# Altium PCB radxa_cm3i_io_board_v1.4.PcbDoc (part 2 of 9) (continued)
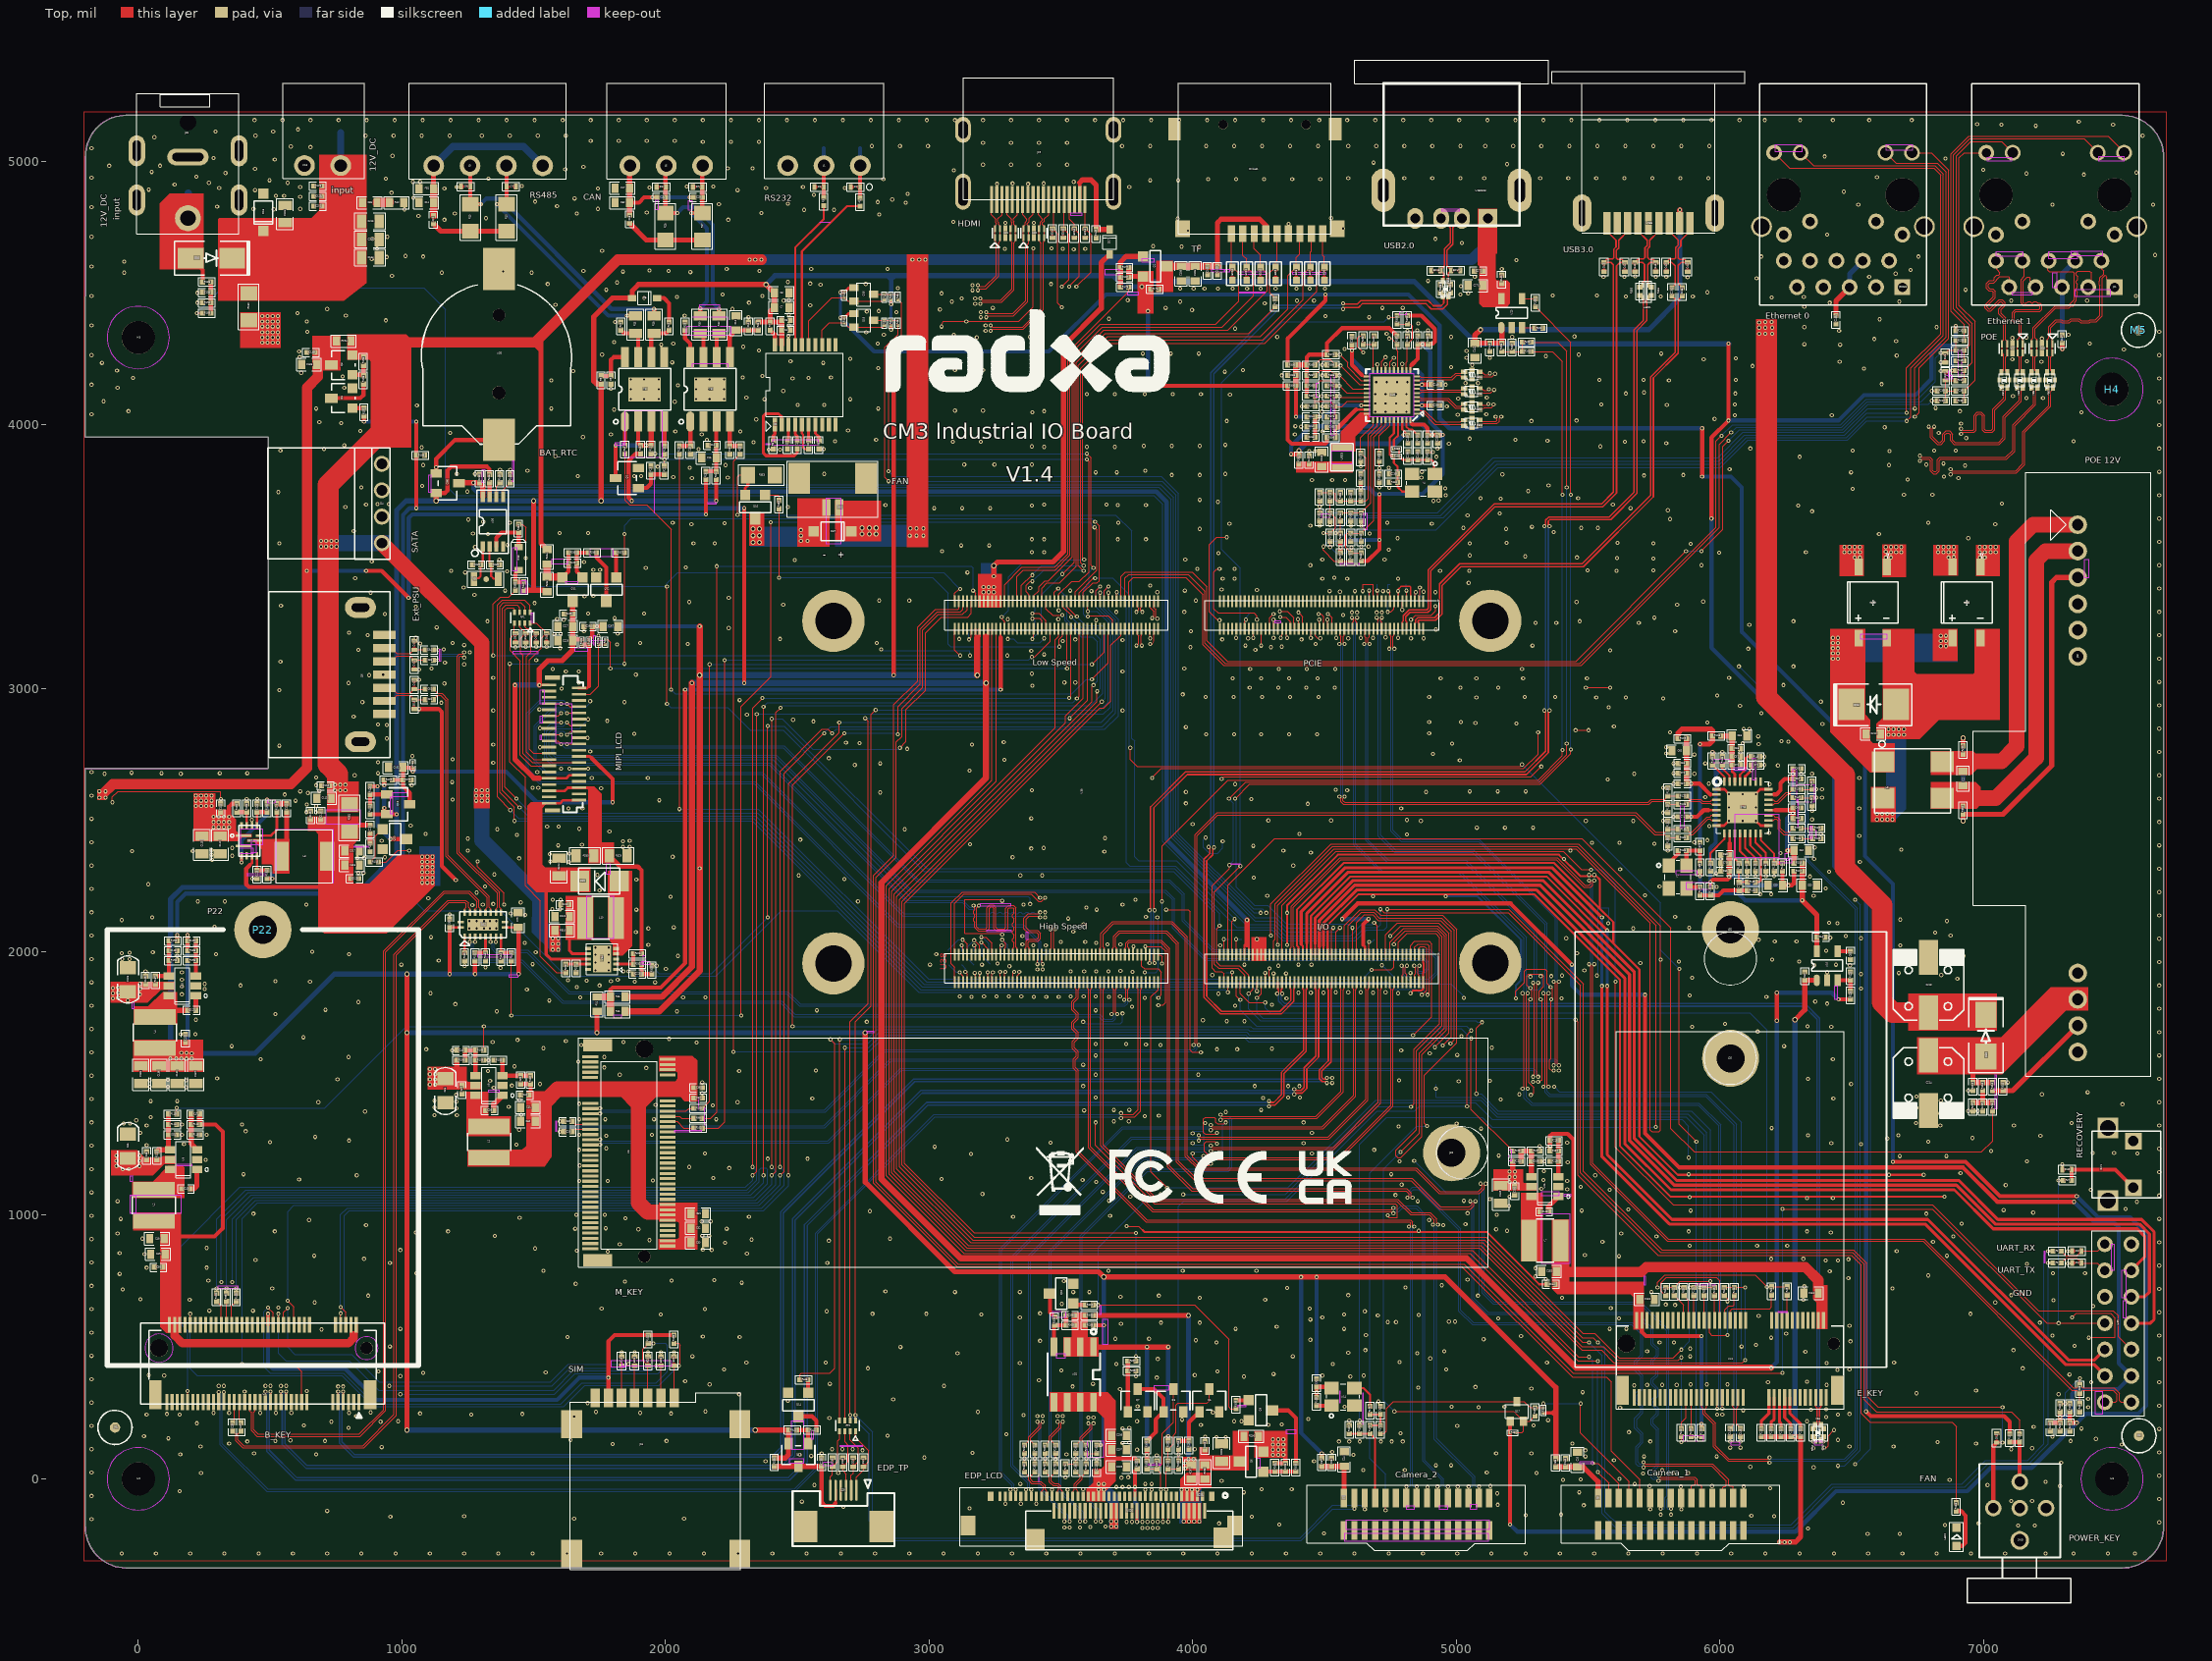
[diagram p0: Top view]
## Footprints (in the part's own frame and the unit in brackets; to place one, negate y for a bottom-side part, rotate by r counter-clockwise, add the part's x,y. Pads: shape width x height; smd on the part's side, far side on the other; paste and mask are expansions set on the pad) (continued)
MICRO_SIM [mm]
  rect 2.7x2 smd: 1(2.505,-2.26) 2(15.025,-2.26) 3(15.025,13.95) 4(2.505,13.95)
  rect 1.8x0.9 smd: C1(0,1.27) C2(0,3.81) C3(0,6.35) C5(0,0) C6(0,2.54) C7(0,5.08) C9(0,7.62)
  silkscreen extent -0.52,-2.39 16.51,14.03
MSOP8 [mm]
  rect 1x0.4 smd: 1(-2.4,0.947) 2(-2.4,0.297) 3(-2.4,-0.353) 4(-2.4,-1.003) 5(2.4,-1.003) 6(2.4,-0.353) 7(2.4,0.297) 8(2.4,0.947)
  silkscreen extent -3.36,-1.52 3.05,2.03
QFN12_2R00X3R00X1R00 [mm]
  rect 1.5x0.25 smd: 1(-0.55,0.5) 2(-0.55,-0.5) 7(0.55,0)
  rect 0.25x0.7 smd: 3(-0.75,-1.45) 4(-0.25,-1.45) 5(0.25,-1.45) 6(0.75,-1.45) 9(0.75,1.45) 10(0.25,1.45) 11(-0.25,1.45) 12(-0.75,1.45)
  rect 0.7x0.25 smd: 8(0.95,0.5)
  silkscreen extent -1.81,-1.5 1,1.5
QFN20-2D5X4D5 [mm]
  rect 0.25x0.6 smd: 1(-1.74,-1.14) 2(-1.24,-1.14) 3(-0.74,-1.14) 4(-0.24,-1.14) 5(0.26,-1.14) 6(0.76,-1.14) 7(1.26,-1.14) 8(1.76,-1.14) 11(1.76,1.16) 12(1.26,1.16) 13(0.76,1.16) 14(0.26,1.16) 15(-0.24,1.16) 16(-0.74,1.16) 17(-1.24,1.16) 18(-1.74,1.16)
  rect 0.6x0.25 smd: 9(2.13,-0.25) 10(2.13,0.25) 19(-2.13,0.25) 20(-2.13,-0.25)
  rect 3x1.1 smd: 21(0,0)
  silkscreen extent -2.23,-2.01 2.27,1.26
QFN40_5R00X5R00X0R90_T [mm]
  rect 0.6x0.2 smd mask+0.05: 1(-2.4,1.8) 2(-2.4,1.4) 3(-2.4,1) 4(-2.4,0.6) 5(-2.4,0.2) 6(-2.4,-0.2) 7(-2.4,-0.6) 8(-2.4,-1) 9(-2.4,-1.4) 10(-2.4,-1.8) 21(2.4,-1.8) 22(2.4,-1.4) 23(2.4,-1) 24(2.4,-0.6) 25(2.4,-0.2) 26(2.4,0.2) 27(2.4,0.6) 28(2.4,1) 29(2.4,1.4) 30(2.4,1.8)
  rect 0.2x0.6 smd mask+0.05: 11(-1.8,-2.4) 12(-1.4,-2.4) 13(-1,-2.4) 14(-0.6,-2.4) 15(-0.2,-2.4) 16(0.2,-2.4) 17(0.6,-2.4) 18(1,-2.4) 19(1.4,-2.4) 20(1.8,-2.4) 31(1.8,2.4) 32(1.4,2.4) 33(1,2.4) 34(0.6,2.4) 35(0.2,2.4) 36(-0.2,2.4) 37(-0.6,2.4) 38(-1,2.4) 39(-1.4,2.4) 40(-1.8,2.4)
  rect 3.6x3.6 smd mask+0.075: 41(0,0)
  silkscreen extent -3.02,-2.5 2.5,2.5
R0201 [mm]
  rect 0.3x0.3 smd: 1(-0.25,0) 2(0.25,0)
  silkscreen extent -0.5,-0.25 0.5,0.25
R0402 [mm]
  rect 0.5x0.5 smd: 1(-0.4,0) 2(0.4,0)
  silkscreen extent -0.8,-0.4 0.8,0.4
R0603 [mm]
  rect 0.7x0.9 smd: 1(-0.7,0) 2(0.7,0)
  silkscreen extent -1.2,-0.6 1.2,0.6
R0805 [mm]
  rect 0.9x1.3 smd: 1(-0.85,0) 2(0.85,0)
  silkscreen extent -1.5,-0.8 1.5,0.8
R1206 [mm]
  rect 1.4x1.6 smd mask+0.05: 1(-1.3,0) 2(1.3,0)
  silkscreen extent -2.2,-1 2.2,1
RCMF7060 [mm]
  rect 2.2x2 smd: 1(0,0) 2(5.7,0) 3(5.7,-3.5) 4(0,-3.5)
  silkscreen extent -0.82,-4.92 6.5,2.02
RJ45_HRK1 [mm]
  rect 1.524x1.524 hole 0.9 mask+0.05: 1(0,0)
  round 1.524 / inner round 1.1 / far side round 1.524 hole 0.9 mask+0.05: 2(1.27,-2.54) 3(2.54,0) 4(3.81,-2.54) 5(5.08,0) 6(6.35,-2.54) 7(7.62,0) 8(8.89,-2.54) 9(10.16,0) 10(11.43,-2.54) 11(0,-5.06) 12(2.54,-6.33) 13(8.89,-6.33) 14(11.43,-5.06) 18(12.36,-12.95)
  round 1.524 hole 1.02 mask+0.05: 15(-0.92,-12.95) 16(1.62,-12.95) 17(9.82,-12.95)
  round 2 / inner round 2.2 / far side round 2.2 hole 1.6 mask+0.15: 19(-2.13,-5.84) 20(13.57,-5.84)
  round 3.25 hole 3.25: 21(0.005,-8.89) 22(11.435,-8.89)
  silkscreen extent -2.34,-19.63 13.77,1.72
RN8P4RC [mil]
  rect 11x21 smd: 1(30,-20.5) 2(10,-20.5) 3(-10,-20.5) 4(-30,-20.5) 5(-30,20.5) 6(-10,20.5) 7(10,20.5) 8(30,20.5)
  silkscreen extent -44,-54 44,20
RP2_0405 [mm]
  rect 0.5x0.3 smd: 1(-0.625,-0.275) 2(0.625,-0.275) 3(-0.625,0.275) 4(0.625,0.275)
  silkscreen extent -1,-0.6 1.03,0.6
S0T-23 [mil]
  rect 36x36 smd: 1(-37.5,-39) 2(37.5,-39)
  rect 36x50 smd: 3(0,41)
  silkscreen extent -55,-50 55,40
SMD_1D25X2PIN_90 [mm]
  rect 0.8x1.6 smd: 1(-1.25,0) 2(0,0)
  rect 2.1x3 smd: 3(-3.85,2.82) 4(2.6,2.82)
  silkscreen extent -5,-0.9 3.72,4.47
SMD_SATA_7P_50_180 [mm]
  rect 0.8x2.2 smd: 1(0,0) 2(1.27,0) 3(2.54,0) 4(3.81,0) 5(5.08,0) 6(6.35,0) 7(7.62,0)
  oval 2x3 hole 0.8 slot 1.7 at 90 deg: 8(10.28,2.3) 9(-2.66,2.3)
  silkscreen extent -4.19,-0.57 11.81,11.16
SOD323 [mm]
  rect 0.63x0.83 smd: 1(-1.115,0) 2(1.115,0)
  silkscreen extent -1.6,-0.7 1.84,0.7
SOD_123 [mm]
  rect 1x1 smd mask+0.05: 1(-1.8,0) 2(1.8,0)
  silkscreen extent -1.11,-0.9 1.13,0.9
SOD_323 [mm]
  rect 0.8x0.6 smd mask+0.05: 1(-1.2,0) 2(1.2,0)
  silkscreen extent -0.67,-0.65 0.64,0.65
SON10_2R50X1R00X0R50 [mm]
  rect 0.2x0.675 smd: 1(-1,-0.437) 2(-0.5,-0.437) 4(0.5,-0.437) 5(1,-0.437) 6(1,0.437) 7(0.5,0.437) 9(-0.5,0.437) 10(-1,0.437)
  rect 0.4x0.775 smd: 3(0,-0.388) 8(0,0.388)
  silkscreen extent -1.46,-1.39 1.25,0.5
SOP4_1D27_4 [mil]
  rect 32x63 smd mask+2: 1(-53.15,-134.85) 2(53.15,-134.85) 3(53.15,134.85) 4(-53.15,134.85)
  silkscreen extent -96,-187 96,79
SOP8-50-150 [mil]
  rect 25x70 smd: 1(-75,-105) 2(-25,-105) 3(25,-105) 4(75,-105) 5(75,105) 6(25,105) 7(-25,105) 8(-75,105)
  silkscreen extent -100,-173 100,80
SOP8_5R00X4R00X1R75_T [mm]
  oval 0.762x1.93 smd mask+0.05: 1(-1.91,-3.1)
  rect 0.762x1.93 smd mask+0.05: 2(-0.64,-3.1) 3(0.63,-3.1) 4(1.9,-3.1) 5(1.9,3.1) 6(0.63,3.1) 7(-0.64,3.1) 8(-1.91,3.1)
  rect 3.1x2.31 smd mask+0.05: 9(-0.005,0)
  silkscreen extent -3,-3.35 2.5,2
SOT23 [mil]
  rect 39x39 smd: 1(-38,-44.53) 2(38,-44.53)
  rect 39.37x47.24 smd: 3(0,44.53)
  silkscreen extent -59,-19 59,23
SOT_23 [mm]
  rect 0.8x1.1 smd: 1(-0.95,-1.1) 2(0.95,-1.1) 3(0,1.1)
  silkscreen extent -1.6,-0.9 1.6,0.9
SOT_23_5 [mm]
  oval 1.1x0.6 smd: 1(-1.4,1)
  rect 1.1x0.6 smd: 2(-1.4,0) 3(-1.4,-1) 4(1.4,-1) 5(1.4,1)
  silkscreen extent -0.52,-1.5 0.55,1.5
SOT_23_6 [mm]
  rect 0.7x1 smd mask+0.05: 1(-0.95,-1.3) 2(0,-1.3) 3(0.95,-1.3) 4(0.95,1.3) 5(0,1.3) 6(-0.95,1.3)
  silkscreen extent -1.75,-2.42 1.75,0.7
SOT_323 [mm]
  rect 0.7x0.9 smd: 1(-0.65,-0.95) 2(0.65,-0.95) 3(0,0.95)
  silkscreen extent -1.1,-0.67 1.1,0.67
SSOP20_1 [mm]
  rect 0.4x1.3 smd: 1(0,0) 2(0.65,0) 3(1.3,0) 4(1.95,0) 5(2.6,0) 6(3.25,0) 7(3.9,0) 8(4.55,0) 9(5.2,0) 10(5.85,0) 11(5.85,7.7) 12(5.2,7.7) 13(4.55,7.7) 14(3.9,7.7) 15(3.25,7.7) 16(2.6,7.7) 17(1.95,7.7) 18(1.3,7.7) 19(0.65,7.7) 20(0,7.7)
  silkscreen extent -0.88,-0.65 6.58,6.9
SW_4_DIP [mm]
  rrect0% 1.6x1.6 / inner rrect0% 1.6x1.6 / far side rrect0% 1.8x1.8 hole 1: 1(1.28,2.45) 2(5.78,2.45)
  rrect0% 2x2 hole 1.5: 3(0,0) 4(7,0)
  silkscreen extent 0.34,-1.53 6.78,5.06
T-1MM [mm]
  round 0.8 smd: 1(0,0)
TF-CKT01-009D [mm]
  rect 1.6x0.7 smd: 1(-10.516,3.2) 2(-10.516,2.1) 3(-10.516,1) 4(-10.516,-0.1) 5(-10.516,-1.2) 6(-10.516,-2.3) 7(-10.516,-3.4) 8(-10.516,-4.5) 9(-10.516,-5.6)
  rect 1.6x1.4 smd: 10(-10.016,-7) 13(-10.016,7.9)
  rect 2.2x1.2 smd: 11(-0.416,-6.8) 12(-0.416,8.7)
  round 0.9 hole 0.9 unplated: 14(0,4) 15(0,-4)
  silkscreen extent -10.52,-6.4 3.98,8.3
TP32 [mil]
  round 32 smd mask+2: 1(0,0)
  silkscreen extent -22,-22 22,22
TP_0R70 [mm]
  round 0.7 smd: 1(0,0)
  silkscreen extent -0.45,-0.45 0.45,0.45
USB20A4_USB_AF_01_001 [mm]
  rect 1.8x1.8 / inner round 1.2 / far side rect 1.8x1.8 hole 0.92 mask+0.05: 1(0,3.5)
  oval 2x1.5 / inner round 1.2 / far side oval 2x1.5 hole 0.92 mask+0.05: 2(0,1) 3(0,-1)
  oval 2x1.5 / inner rrect100% 1.2x1.2 / far side oval 2x1.5 hole 0.92 mask+0.05: 4(0,-3.5)
  oval 4.2x2.3 / inner oval 3x1.3 / far side oval 4.2x2.3 hole 1 slot 2.3 at 0 deg mask+0.05: 5(-2.71,6.57) 6(-2.71,-6.57)
  silkscreen extent -15.26,-9.34 0.69,9.33
USB30-L1 [mm]
  rect 0.7x2.2 smd: 1(-3,0) 2(-1,0) 3(1,0) 4(3,0) 5(4,0) 6(2,0) 7(0,0) 8(-2,0) 9(-4,0)
  oval 1.8x3.6 / inner oval 0.7x2.6 / far side oval 1.8x3.6 hole 0.584 slot 2.489 at 90 deg: 10(-6.4,-1) 11(6.4,-1)
  silkscreen extent -9.28,-14.64 9.29,0.92

## Via types
v1: diameter 15.75, hole 7.87, Top to Bottom, 3415 vias
v2: diameter 19.68, hole 11.81, Top to Bottom, 34 vias

## Nets (pads, with @x,y where several pads share a name; then routed paths per layer and width w, separated by ;. In a path a pad name is that pad's centre, name@x,y a point inside that pad or via, vN(x,y) a via of type N, cw(c..) or ccw(c..) an arc to the next point about the centre after c; other vN are vias at no path point)
3V3_BKEY: C47.1 C48.1 C49.1 C50.1 L2.2 R112.1 U7.2 U7.4 U7.70 U7.72 U7.74 | length 1595.4
  Top w11.81: U7.4@807.09,584.65 807.09,545.28 816.93,545.28 826.77,545.28 U7.2@826.77,584.65
  Top w15.75: C48.1@98.43,911.42 106.3,919.29 289.37,919.29 320.87,950.79 320.87,1316.93 293.31,1344.49 R112.1@232.28,1344.49
  Top w19.68: R112.1@232.28,1344.49 C47.1@232.28,1383.86
  Top w31.5: U7.72@137.79,584.65 137.8,543.31 167.32,513.78 797.24,513.78 816.93,533.46 816.93,545.28
3V3_EKEY: C151.1 C152.1 C153.1 C154.1 C155.1 L7.2 R223.2 R225.1 U24.2 U24.4 U24.72 U24.74 | length 2362.4
  Top w15.75: C151.1@5356.3,1244.09 v1(5356.3,1259.84) R225.1@5356.3,1283.46 5356.3,1301.18 5364.17,1309.06 5423.23,1309.06 5444.88,1287.4 5444.88,785.43 ; 5379.92,761.81 C155.1@5379.92,787.4 ; U24.72@5704.72,601.38 5704.72,557.09 5720.47,541.34 v1(5931.1,541.34) ; R223.2@5931.1,190.94 v1(5931.1,208.66)
  Top w39.37: 5401.57,785.43 5444.88,785.43 5702.76,785.43 5720.47,803.15 6324.8,803.15 6374.02,753.94 C152.1@6374.02,704.72
  Bottom w15.75: v1(5931.1,208.66) v1(5931.1,541.34)
3V3_TP: C161.1 C162.1 C270.1 Q19.3 R419.2 U42.24 | length 1302.8
  Top w3.94: C270.1@1003.94,2651.57 C270.1@1003.94,2653.54
  Top w9.84: U42.24@1671.26,2740.94 1713.78,2740.94 1720.47,2734.25
  Top w15.75: R419.2@964.57,2651.57 C270.1@1003.94,2651.57 ; Q19.3@1029.53,2559.06 1029.53,2602.36 1003.94,2627.95 1003.94,2653.54 C161.1@1003.94,2698.82 C162.1@1041.34,2698.82 v1(1041.34,2683.07) ; 1720.47,2734.25 1799.21,2655.51 v1(1799.21,2566.93)
  Bottom w15.75: v1(1041.34,2683.07) 1395.67,2683.07 1511.81,2566.93 v1(1799.21,2566.93)
4G_DISABLE: U7.8 U38.29 | length 5547.8
  Top w3.94: U7.8@767.72,584.65 v1(767.72,627.95) ; v1(2466.54,1151.57) 2466.54,2637.8 2659.45,2830.71 v1(2659.45,2870.08) ; U38.29@3648.62,3329.92 3648.62,3362.2 v1(3649.61,3362.2)
  Bottom w3.94: v1(767.72,627.95) 781.5,641.73 781.5,998.03 801.18,1017.72 2372.05,1017.72 2466.54,1112.2 v1(2466.54,1151.57) ; v1(2659.45,2870.08) 3653.54,2870.08 3698.82,2915.35 3698.82,3255.91 3649.61,3305.12 v1(3649.61,3362.2)
4G_PWREN_H: U7.6 U38.25 | length 5631.5
  Top w3.94: v1(767.72,651.57) 787.4,631.89 U7.6@787.4,584.65 ; v1(2435.04,1183.07) 2435.04,2685.04 2594.49,2844.49 2616.14,2844.49 v1(2631.89,2828.74) ; U38.25@3680.12,3329.92 3680.12,3362.2 v1(3681.1,3362.2)
  Bottom w3.94: v1(767.72,651.57) 767.72,1001.97 793.31,1027.56 2364.17,1027.56 2450.79,1114.17 2450.79,1167.32 v1(2435.04,1183.07) ; v1(2631.89,2828.74) 2647.64,2844.49 3667.32,2844.49 3718.5,2895.67 3718.5,3259.84 3681.1,3297.24 v1(3681.1,3362.2)
4G_RESET: U7.67 U38.31 | length 6551.9
  Top w3.94: U7.67@187.01,291.34 v1(187.01,332.68) ; v1(2330.71,1151.57) 2346.46,1167.32 v1(2346.46,2901.57) ; U38.31@3632.87,3329.92 3632.87,3369.09 v1(3649.61,3385.83)
  Bottom w3.94: v1(187.01,332.68) 187.01,561.02 161.42,586.61 161.42,881.89 385.83,1106.3 2303.15,1106.3 2330.71,1133.86 v1(2330.71,1151.57) ; v1(2346.46,2901.57) 3661.42,2901.57 3688.98,2929.13 3688.98,3253.94 3633.86,3309.06 3633.86,3370.08 v1(3649.61,3385.83)
4G_WAKE_ON_HOST: U7.23 U38.91 | length 6023.3
  Top w3.94: v1(393.7,435.04) 592.52,435.04 620.08,407.48 U7.23@620.08,291.34 ; v1(2403.54,1183.07) v1(2403.54,2883.86) ; v1(2889.76,2773.62) 2913.39,2797.24 2913.39,2919.29 2986.22,2992.13 2986.22,3208.66 3047.24,3269.69 3146.65,3269.69 3160.43,3283.46 U38.91@3160.43,3329.92
  Bottom w3.94: v1(393.7,435.04) 393.7,988.19 452.76,1047.24 2350.39,1047.24 2419.29,1116.14 2419.29,1167.32 v1(2403.54,1183.07) ; v1(2403.54,2883.86) 2442.91,2883.86 2559.06,2767.72 2883.86,2767.72 v1(2889.76,2773.62)
5V0_USB30: C142.1 C143.1 R206.2 U23.1 USB6.1 | length 1415
  Top w19.68: v2(5092.52,4360.24) 5070.87,4338.58 C142.1@5070.87,4309.06 C143.1@5127.95,4309.06 R206.2@5173.23,4309.06 5173.23,4366.14 U23.1@5171.26,4368.11 ; USB6.1@5847.64,4763.39 5847.64,4814.17 v1(5848.43,4814.96)
  Bottom w19.68: v2(5092.52,4360.24) 5730.32,4360.24 5848.43,4480.76 v1(5848.43,4814.96)
100M_LED_G+: J21.15 R231.2 R232.1 | length 1443.1
  Top w3.94: R231.2@6927.17,4318.9 R232.1@6927.17,4356.3 6927.17,4379.92 6877.95,4429.13 6877.95,5027.56 6944.88,5094.49 7473.23,5094.49 7536.22,5031.5 J21.15@7534.25,5031.5
100M_LED_G-: J21.16 R229.2 R230.1 | length 1413.4
  Top w3.94: R229.2@6927.17,4242.13 R230.1@6927.17,4281.5 6948.82,4303.15 6948.82,4377.95 6887.8,4438.98 6887.8,5023.62 6948.82,5084.65 7383.07,5084.65 7436.22,5031.5 J21.16@7434.25,5031.5
1000M_LED_Y+: J21.17 R237.2 R238.1 | length 1149.2
  Top w3.94: R237.2@6927.17,4167.32 R238.1@6927.17,4204.72 6958.66,4236.22 6958.66,4383.86 6897.64,4444.88 6897.64,5019.69 6952.76,5074.8 7070.08,5074.8 7113.39,5031.5 J21.17@7111.42,5031.5
1000M_LED_Y-: J21.18 R235.2 R236.1 | length 1075.8
  Top w3.94: R235.2@6927.17,4090.55 R236.1@6927.17,4127.95 6968.5,4169.29 6968.5,4391.73 6907.48,4452.76 6907.48,5011.81 6927.17,5031.5 J21.18@7011.42,5031.5
+1V8: C221.1 C264.1 C267.1 Q16.1 Q17.1 Q18.1 R36.2 R38.1 R43.1 R46.1 R322.2 R395.1 R416.1 U38.88 U38.90 | length 16968.5
  Top w3.94: R38.1@5204.72,175.2 R38.1@5204.72,177.17
  Top w7.87: U38.90@3176.18,3225.2 3176.18,3194.88 3180.12,3190.94 3183.07,3190.94 3187.01,3190.94 3191.93,3195.87 U38.88@3191.93,3225.2
  Top w11.81: v1(2663.39,4405.51) R46.1@2679.13,4405.51 2694.88,4421.26 Q18.1@2714.57,4421.26 ; v1(2663.39,4501.97) R43.1@2679.13,4501.97 2696.85,4519.68 Q16.1@2714.57,4519.68
  Top w15.75: R416.1@1710.63,3185.04 1722.44,3196.85 C264.1@1722.44,3234.25 v1(1740.16,3234.25) C267.1@1763.78,3234.25 ; v1(2866.14,3049.21) v1(2866.14,4277.56) ; R395.1@4360.24,4226.38 4360.24,4326.77 4503.94,4470.47 v1(4503.94,4494.09) ; v1(5204.72,-173.23) 5204.72,177.17 Q17.1@5204.73,218.51 ; v1(5933.07,3803.15) v1(5933.07,3986.22) ; v1(6657.48,1202.76) 6933.07,1202.76 7062.99,1072.83 v1(7354.33,1072.83) ; R322.2@7328.74,253.94 C221.1@7328.74,212.6 v1(7354.33,212.6)
  Top w23.62: R36.2@1846.46,1773.62 1976.38,1773.62 2129.92,1927.17 v1(2129.92,2316.93) v2(2129.92,3049.21) v1(2129.92,3234.25) ; v2(3183.07,3049.21) 3183.07,3190.94
  Bottom w11.81: v1(2663.39,4405.51) v1(2663.39,4501.97)
  Bottom w15.75: v1(1740.16,3234.25) v1(2129.92,3234.25) ; v1(2663.39,4405.51) 2791.34,4277.56 v1(2866.14,4277.56) 3454.72,4277.56 3671.26,4494.09 v1(4503.94,4494.09) 4818.9,4494.09 4937.01,4375.98 4937.01,4023.62 4974.41,3986.22 v1(5933.07,3986.22) ; v1(5204.72,-173.23) 5232.28,-200.79 6287.4,-200.79 6440.94,-47.24 6938.98,-47.24 7027.56,41.34 7183.07,41.34 v1(7354.33,212.6) 7387.8,246.06 7586.61,246.06 7618.11,277.56 7618.11,931.1 7557.09,992.13 7435.04,992.13 v1(7354.33,1072.83) ; v1(5933.07,3803.15) 6042.32,3803.15 6083.66,3761.81 6083.66,3213.58 6551.18,2746.06 6551.18,2363.19 6657.48,2256.89 v1(6657.48,1202.76)
  Bottom w23.62: v2(2129.92,3049.21) v1(2866.14,3049.21) v2(3183.07,3049.21)
+3V3: R35.2 R120.1 R190.1 R197.2 R198.1 U38.84 U38.86 | length 15077.2
  Top w7.87: U38.86@3207.68,3225.2 3207.68,3194.88 3216.54,3194.88 3223.43,3194.88 U38.84@3223.43,3225.2
  Top w15.75: R190.1@147.64,2041.34 v1(147.64,2062.99) ; v1(856.3,4011.81) R197.2@856.3,4031.5 ; v1(1055.12,3683.07) R198.1@1055.12,3883.86 v1(1055.12,4011.81) ; v1(2299.21,3019.69) v1(2299.21,3683.07) ; v1(6216.54,1738.19) v1(6216.54,1844.49) ; v1(6450.79,1818.9) R120.1@6496.06,1818.9
  Top w23.62: R35.2@1846.46,1828.74 1986.22,1828.74 2100.39,1942.91 v1(2100.39,3019.69) ; 3216.54,3194.88 v2(3216.54,3019.69) 3216.54,2659.45 2818.9,2261.81 2818.9,1137.8 3120.08,836.61 5039.37,836.61 5454.72,421.26 v1(6194.88,421.26)
  Bottom w15.75: v1(147.64,2062.99) 147.64,2188.98 179.13,2220.47 866.14,2220.47 1003.94,2358.27 1003.94,3657.48 1029.53,3683.07 v1(1055.12,3683.07) v1(2299.21,3683.07) ; v1(856.3,4011.81) v1(1055.12,4011.81) ; v1(6194.88,421.26) 6216.54,442.91 v1(6216.54,1738.19) ; v1(6216.54,1844.49) 6425.2,1844.49 v1(6450.79,1818.9)
  Bottom w23.62: v1(2100.39,3019.69) v1(2299.21,3019.69) v2(3216.54,3019.69)
+5V_INPUT: C23.1 C116.1 C117.1 C118.1 C119.1 C120.1 D17.1 L3.2 R181.2 TP1.1 U17.5 U38.77 U38.79 U38.81 U38.83 U38.85 U38.87 | length 2181.8
  Top w9.84: 423.23,2328.74 431.1,2336.61 U17.5@431.1,2364.17
  Top w15.75: 423.23,2328.74 409.45,2314.96 409.45,2255.91 419.29,2246.06 761.81,2246.06 783.46,2267.72 C118.1@783.46,2328.74
  Top w19.68: R181.2@801.18,2456.69 801.18,2460.63 820.87,2480.31 C23.1@879.92,2480.31 ; v1(3246.06,3425.2) v2(3246.06,3464.57) 3259.84,3478.35 3470.47,3478.35 3509.84,3517.72 3509.84,4297.24 3653.54,4440.94 3653.54,4614.17 D17.1@3685.04,4645.67
  other v1: 1076.77,2261.81 1096.46,2261.81 1116.14,2261.81 1076.77,2281.5 1096.46,2281.5 1116.14,2281.5 1076.77,2301.18 1096.46,2301.18 1116.14,2301.18 1076.77,2320.87 1096.46,2320.87 1116.14,2320.87 1076.77,2340.55 1096.46,2340.55 1116.14,2340.55 1076.77,2360.24 1096.46,2360.24 1116.14,2360.24 3206.69,3364.17 3226.38,3364.17 3246.06,3364.17 3206.69,3383.86 3226.38,3383.86 3246.06,3383.86
ADJ: J23.9 R313.1 R314.1 | length 425.1
  Top w19.68: R313.1@7035.43,1472.44 R314.1@7074.8,1472.44 7111.42,1472.44 J23.9@7358.27,1719.29
AT-DET: J23.3 R311.1 R312.1 | length 1584.8
  Top w19.68: v2(6923.23,2496.06) R312.1@6923.23,2521.65 7074.8,2521.65 7259.84,2706.69 7259.84,3402.36 7277.56,3420.08 J23.3@7358.27,3420.08 ; R311.1@6923.23,2781.5 v2(6923.23,2811.02)
  Bottom w19.68: v2(6923.23,2496.06) v2(6923.23,2811.02)
CAM_CLK_0: J8.4 Q17.3 R39.2 R165.1 R172.2 | length 1321.3
  Top w3.94: R172.2@4712.6,171.26 4726.38,171.26 4736.22,181.1 4736.22,267.72 4761.81,293.31 Q17.3@5230.32,293.31 5257.87,293.31 5281.49,269.69 R165.1@5299.21,269.69 R39.2@5330.71,269.69 v1(5330.71,285.43) ; v1(5472.44,285.43) 5472.44,173.23 5656.69,-11.02 J8.4@5656.69,-72.83
  Bottom w3.94: v1(5330.71,285.43) v1(5472.44,285.43)
CAM_CLK_1: J4.4 R166.2 R167.1 R170.2 | length 330.8
  Top w7.87: R167.1@4594.49,171.26 R166.2@4633.86,171.26 R170.2@4673.23,171.26 4692.52,151.97 J4.4@4692.52,-72.83
CAM_CLKOUT0: J6.18 Q17.2 R38.2 R165.2 | length 2832.9
  Top w3.94: J6.18@4748.43,1988.58 4748.43,2035.83 4801.18,2088.58 4927.17,2088.58 4954.72,2061.02 4954.72,1710.63 4860.24,1616.14 4860.24,1311.02 v1(4789.37,1240.16) ; v1(4765.75,255.91) 5218.51,255.91 Q17.2@5255.9,218.51 ; R38.2@5224.41,175.2 5250,175.2 5255.91,181.1 Q17.2@5255.9,218.51 ; R165.2@5299.21,238.19 5279.53,218.51 Q17.2@5255.9,218.51
  Bottom w3.94: v1(4765.75,255.91) 4724.41,297.24 4724.41,1175.2 v1(4789.37,1240.16)
CAM_GPIO: J8.5 U38.97 | length 5989.1
  Top w3.94: U38.97@3113.19,3329.92 3113.19,3303.15 3109.25,3299.21 3023.62,3299.21 2956.69,3232.28 2956.69,3027.56 2866.14,2937.01 2866.14,2366.14 2789.37,2289.37 2789.37,1122.05 3106.3,805.12 5021.65,805.12 5440.94,385.83 5570.87,385.83 5588.58,368.11 5588.58,104.33 5696.06,-3.15 J8.5@5696.06,-72.83
CAM_GPIO_1: J4.5 J6.40 | length 3037.1
  Top w3.94: J6.40@4575.2,1988.58 4575.2,2098.82 4635.83,2159.45 4690.94,2159.45 4712.6,2137.8 4948.82,2137.8 5001.97,2084.65 5001.97,1653.54 4879.92,1531.5 4879.92,1352.36 4879.92,1348.43 v1(4889.76,1338.58) ; J4.5@4731.89,-72.83 4732.28,-73.23 v1(4732.28,-120.08)
  Bottom w3.94: v1(4732.28,-120.08) 4732.28,17.72 4673.23,76.77 4673.23,1161.42 4850.39,1338.58 v1(4889.76,1338.58)
CAN0_RX_M0: J6.20 R31.1 | length 5780.6
  Top w3.94: v1(2257.87,1620.08) 2257.87,3862.2 R31.1@2283.46,3887.8 ; J6.20@4732.68,1988.58 4732.68,2063.39 4777.56,2108.27 4933.07,2108.27 4972.44,2068.9 4972.44,1690.94 v1(4919.29,1637.8)
  Bottom w3.94: v1(2257.87,1620.08) 2773.62,1620.08 2828.74,1675.2 4194.88,1675.2 4212.6,1657.48 4899.61,1657.48 v1(4919.29,1637.8)
CAN0_TX_M0: J6.16 R29.1 | length 4391.3
  Top w3.94: v1(2053.15,2541.34) R29.1@2053.15,3887.8 ; v1(4679.13,1931.1) 4754.33,1931.1 4764.17,1940.94 J6.16@4764.17,1988.58
  Bottom w3.94: v1(2053.15,2541.34) 2352.36,2541.34 2998.03,1895.67 4192.91,1895.67 4643.7,1895.67 v1(4679.13,1931.1)
CAN_VSS: C16.2 C17.1 C20.2 C21.2 FB2.1 J5.3 | length 458.2
  Top w3.94: J5.3@1864.17,4982.28 J5.3@1865.35,4982.28
  Top w15.75: FB2.1@1864.17,4842.52 1899.61,4842.52 1919.29,4862.2 v1(1950.79,4862.2) C21.2@1968.5,4862.2 ; v1(2092.52,4862.2) C20.2@2108.27,4862.2
  Top w19.68: C16.2@1864.17,4795.28 FB2.1@1864.17,4842.52 C17.1@1864.17,4897.64 J5.3@1864.17,4982.28
  Bottom w15.75: v1(1950.79,4862.2) v1(2092.52,4862.2)
CANH: C20.1 D9.2 J5.1 R27.1 R30.2 | length 647.8
  Top w3.94: D9.2@2139.76,4901.57 D9.2@2139.76,4903.54 ; J5.1@2139.76,4980.31 2140.94,4981.5 J5.1@2140.94,4982.28
  Top w15.75: v1(2098.43,4803.15) R27.1@2139.76,4803.15 C20.1@2139.76,4862.2 2139.76,4903.54 J5.1@2139.76,4980.31 ; R30.2@2131.89,4413.39 v1(2131.89,4440.94)
  Bottom w15.75: v1(2098.43,4803.15) 2157.48,4744.09 2157.48,4466.54 v1(2131.89,4440.94)
CANL: C21.1 D8.2 J5.2 R28.1 R32.2 | length 753.4
  Top w3.94: D8.2@2000,4901.99 2000.41,4901.57 D8.2@2001.97,4901.57 ; J5.2@2001.97,4982.28 J5.2@2003.15,4982.28
  Top w15.75: J5.2@2001.97,4982.28 2000,4980.31 2000,4901.99 C21.1@2000,4862.2 R28.1@2000,4803.15 v1(2045.28,4803.15) ; R32.2@2202.76,4413.39 v1(2202.76,4438.98)
  Bottom w15.75: v1(2045.28,4803.15) 2066.93,4824.8 2112.2,4824.8 2179.13,4757.87 2179.13,4462.6 v1(2202.76,4438.98)
CLK_IN_SEL0_DUT: R126.2 U11.13 | length 128.5
  Top w7.87: U11.13@6096.46,2448.82 6096.46,2393.7 6135.83,2354.33 R126.2@6135.83,2336.61
CLK_IN_SEL1_DUT: R124.2 R125.2 U11.16 | length 164.9
  Top w7.87: U11.16@6155.51,2448.82 6155.51,2423.23 6206.69,2372.05 R125.2@6206.69,2336.61
  Top w15.75: R125.2@6206.69,2336.61 R124.2@6238.19,2336.61
CLK_OUT_TYPE0_DUT: R123.2 U11.9 | length 134.2
  Top w7.87: R123.2@5964.57,2336.61 5964.57,2374.02 6017.72,2427.17 U11.9@6017.72,2448.82
CLK_OUT_TYPE1_DUT: R122.2 U11.32 | length 81.7
  Top w7.87: R122.2@5972.44,2708.66 6017.72,2663.39 U11.32@6017.72,2645.67
CLKIN0: R139.1 U11.14 | length 217.6
  Top w7.87: U11.14@6116.14,2448.82 6116.14,2403.54 6155.51,2364.17 6155.51,2269.69 6149.61,2263.78 R139.1@6135.83,2263.78
EDP-VLED: LCD1.36 LCD1.37 LCD1.38 LCD1.39 LCD2.26 LCD2.27 LCD2.28 LCD2.29 R297.2 R298.2 | length 102.4
  Top w3.94: LCD1.36@3958.66,-66.93 v1(3958.66,-41.34) ; LCD1.37@3978.35,-66.93 v1(3978.35,-41.34) ; LCD1.38@3998.03,-66.93 v1(3998.03,-41.34) ; LCD1.39@4017.72,-66.93 v1(4017.72,-41.34)
  other v1: 3966.54,-161.42 3986.22,-161.42 4005.91,-161.42 4025.59,-161.42
EDP_HPD_1: LCD1.27 LCD2.17 R292.2 | length 284.1
  Top w11.81: LCD1.27@3781.5,-66.93 v1(3781.5,-31.5) ; v1(3789.37,-163.39) LCD2.17@3789.37,-122.05
  Top w15.75: v1(3781.5,-31.5) 3781.5,29.53 R292.2@3789.37,37.4
  Bottom w15.75: v1(3781.5,-31.5) 3781.5,-88.58 3789.37,-96.46 v1(3789.37,-163.39)
EDP_TX_AUXN: J6.41 R284.1 R287.2 R289.2 | length 2753.3
  Top w3.94: R289.2@3596.46,57.09 v1(3596.46,76.77) R287.2@3596.46,96.46 R284.1@3635.83,96.46 ; v1(4106.3,1381.89) 4112.2,1375.98 4468.5,1375.98 4563.39,1470.87 4563.39,1856.3 4559.45,1860.24 J6.41@4559.45,1884.65
  Bottom w3.94: v1(3596.46,76.77) 3580.71,92.52 3580.71,919.63 3828.4,1167.32 4135.83,1167.32 4149.61,1181.1 4149.61,1364.17 4137.8,1375.98 4112.2,1375.98 v1(4106.3,1381.89)
EDP_TX_AUXP: J6.39 R276.1 R285.2 R288.2 | length 2751.7
  Top w3.94: R276.1@3517.72,57.09 R288.2@3557.09,57.09 v1(3557.09,76.77) R285.2@3557.09,96.46 ; v1(4106.3,1362.2) 4112.2,1368.11 4448.82,1368.11 4471.77,1368.11 4571.26,1467.6 4571.26,1856.3 4575.2,1860.24 J6.39@4575.2,1884.65
  Bottom w3.94: v1(3557.09,76.77) 3572.83,92.52 3572.83,922.89 3825.14,1175.2 4132.57,1175.2 4141.73,1184.36 4141.73,1358.27 4131.89,1368.11 4112.2,1368.11 v1(4106.3,1362.2)
EDP_TX_D0N: J6.17 R278.2 R281.2 | length 2832.1
  Top w3.94: R278.2@3440.94,57.09 v1(3440.94,76.77) R281.2@3440.94,96.46 ; v1(4041.34,1224.41) 4047.24,1218.5 4553.83,1218.5 4752.36,1417.04 4752.36,1856.3 4748.43,1860.24 J6.17@4748.43,1884.65
  Bottom w3.94: v1(3440.94,76.77) 3456.69,92.52 3456.69,864.17 3811.02,1218.5 4035.43,1218.5 v1(4041.34,1224.41)
EDP_TX_D0P: J6.15 R279.2 R282.2 | length 2834.1
  Top w3.94: R279.2@3480.32,57.09 v1(3480.32,74.8) R282.2@3480.32,96.46 ; v1(4041.34,1204.72) 4047.24,1210.63 4557.09,1210.63 4760.24,1413.78 4760.24,1856.3 4764.17,1860.24 J6.15@4764.17,1884.65
  Bottom w3.94: v1(3480.32,74.8) 3464.57,90.55 3464.57,860.91 3814.28,1210.63 4035.43,1210.63 v1(4041.34,1204.72)
EDP_TX_D1N: J6.23 R280.2 R283.2 | length 2847.3
  Top w3.94: R283.2@3362.2,57.09 v1(3362.2,76.77) R280.2@3362.2,96.46 ; v1(4068.9,1263.78) 4074.8,1257.87 4534.14,1257.87 4705.12,1428.85 4705.12,1856.3 4701.18,1860.24 J6.23@4701.18,1884.65
  Bottom w3.94: v1(3362.2,76.77) 3377.95,92.52 3377.95,848.09 3787.74,1257.87 4062.99,1257.87 v1(4068.9,1263.78)
EDP_TX_D1P: J6.21 R277.2 R286.2 | length 2847.3
  Top w3.94: R286.2@3401.57,57.09 v1(3401.57,76.77) R277.2@3401.57,96.46 ; v1(4068.9,1244.09) 4074.8,1250 4537.4,1250 4712.99,1425.59 4712.99,1856.3 4716.93,1860.24 J6.21@4716.93,1884.65
  Bottom w3.94: v1(3401.57,76.77) 3385.83,92.52 3385.83,844.83 3791,1250 4062.99,1250 v1(4068.9,1244.09)
EDP_TX_D2N: J6.29 LCD1.6 | length 2981.8
  Top w3.94: LCD1.6@3368.11,-66.93 v1(3368.11,-41.34) ; v1(4023.62,1303.15) 4029.53,1297.24 4514.46,1297.24 4657.87,1440.66 4657.87,1856.3 4653.94,1860.24 J6.29@4653.94,1884.65
  Bottom w3.94: v1(3368.11,-41.34) 3374.02,-35.43 3374.02,-15.75 3311.02,47.24 3311.02,840.21 3768.05,1297.24 4017.72,1297.24 v1(4023.62,1303.15)
EDP_TX_D2P: J6.27 LCD1.7 | length 2981.8
  Top w3.94: LCD1.7@3387.8,-66.93 v1(3387.8,-41.34) ; v1(4023.62,1283.46) 4029.53,1289.37 4517.72,1289.37 4665.75,1437.4 4665.75,1856.3 4669.69,1860.24 J6.27@4669.69,1884.65
  Bottom w3.94: v1(3387.8,-41.34) 3381.89,-35.43 3381.89,-11.81 3318.9,51.18 3318.9,836.95 3771.32,1289.37 4017.72,1289.37 v1(4023.62,1283.46)
EDP_TX_D3N: J6.35 LCD1.3 | length 2981.5
  Top w3.94: LCD1.3@3309.06,-66.93 v1(3309.06,-41.34) ; v1(4068.9,1342.52) 4074.8,1336.61 4492.8,1336.61 4610.63,1454.44 4610.63,1856.3 4606.69,1860.24 J6.35@4606.69,1884.65
  Bottom w3.94: v1(3309.06,-41.34) 3314.96,-35.43 3314.96,-25.59 3267.72,21.65 3267.72,852.02 3267.72,871.37 3732.96,1336.61 4062.99,1336.61 v1(4068.9,1342.52)
EDP_TX_D3P: J6.33 LCD1.4 | length 2981.5
  Top w3.94: LCD1.4@3328.74,-66.93 v1(3328.74,-41.34) ; v1(4068.9,1322.83) 4074.8,1328.74 4496.06,1328.74 4618.5,1451.18 4618.5,1856.3 4622.44,1860.24 J6.33@4622.44,1884.65
  Bottom w3.94: v1(3328.74,-41.34) 3322.83,-35.43 3322.83,-21.65 3275.59,25.59 3275.59,868.11 3736.22,1328.74 4062.99,1328.74 v1(4068.9,1322.83)
ETH0_REFCLKO_25M: J7.79 R362.1 | length 1624.9
  Top w3.94: v1(4259.84,3161.42) 4260.63,3162.2 J7.79@4260.63,3225.59 ; R362.1@4891.73,3897.64 4891.73,3895.67 v1(4911.42,3895.67)
  Power w3.94: v1(4259.84,3161.42) 4303.15,3118.11 4938.98,3118.11 4980.32,3159.45 4980.32,3858.27 4942.91,3895.67 v1(4911.42,3895.67)
EXT_EN: J6.98 P17.1 | length 78.5
  Top w3.94: v1(4118.11,2047.24) 4118.5,2046.85 J6.98@4118.5,1988.58
  Bottom w3.94: v1(4118.11,2047.24) P17.1@4137.8,2047.24
GEN_CLK_100MHZ: C77.2 R139.2 R140.2 | length 72.8
  Top w7.87: R140.2@6072.83,2305.12 C77.2@6072.83,2263.78 R139.2@6104.33,2263.78
GMAC0_MCLKINOUT: J7.83 R363.1 R364.1 | length 1318.3
  Top w3.94: J7.83@4229.13,3225.59 4230.32,3224.41 v1(4230.32,3190.94) ; R364.1@4708.66,3812.99 v1(4708.66,3834.65) R363.1@4708.66,3860.24
  Power w3.94: v1(4230.32,3190.94) 4283.46,3190.94 4336.61,3137.8 4696.85,3137.8 4763.78,3204.72 4763.78,3779.53 v1(4708.66,3834.65)
GMAC0_MDC: J7.75 U41.13 | length 1784.4
  Top w3.94: J7.75@4292.13,3225.59 4292.13,3266.54 v1(4307.09,3281.5) ; U41.13@4795.28,4206.69 v1(4795.28,4230.31)
  Power w3.94: v1(4307.09,3281.5) 4307.09,3344.49 4210.63,3440.94 4210.63,4183.07 4391.73,4364.17 4685.04,4364.17 4779.53,4269.69 4779.53,4222.44 4783.46,4218.5 4791.34,4218.5 4795.28,4222.44 v1(4795.28,4230.31)
GMAC0_MDIO: J7.73 R397.2 U41.14 | length 1788.3
  Top w3.94: v1(4307.09,3259.84) 4307.87,3259.06 J7.73@4307.87,3225.59 ; v1(4746.06,4326.77) 4753.94,4326.77 R397.2@4775.59,4305.12 4775.59,4281.5 4779.53,4277.56 U41.14@4779.53,4206.69
  Power w3.94: v1(4307.09,3259.84) 4291.34,3275.59 4291.34,3346.46 4198.82,3438.98 4198.82,4185.04 4387.8,4374.02 4687.01,4374.02 4734.25,4326.77 v1(4746.06,4326.77)
GMAC0_RSTN: J6.87 R393.1 | length 3211.8
  Top w3.94: v1(4181.1,2324.8) 4082.68,2226.38 4082.68,1952.76 4098.43,1937.01 4171.26,1937.01 4197.24,1911.02 J6.87@4197.24,1884.65 ; v1(4744.09,4407.48) 4777.56,4407.48 4777.56,4411.42 R393.1@4775.59,4413.39
  Bottom w3.94: v1(4181.1,2324.8) 4181.1,3454.72 4110.24,3525.59 4110.24,4159.45 4340.55,4389.76 4726.38,4389.76 v1(4744.09,4407.48)